# KiCad board Engine.kicad_pcb (continued)
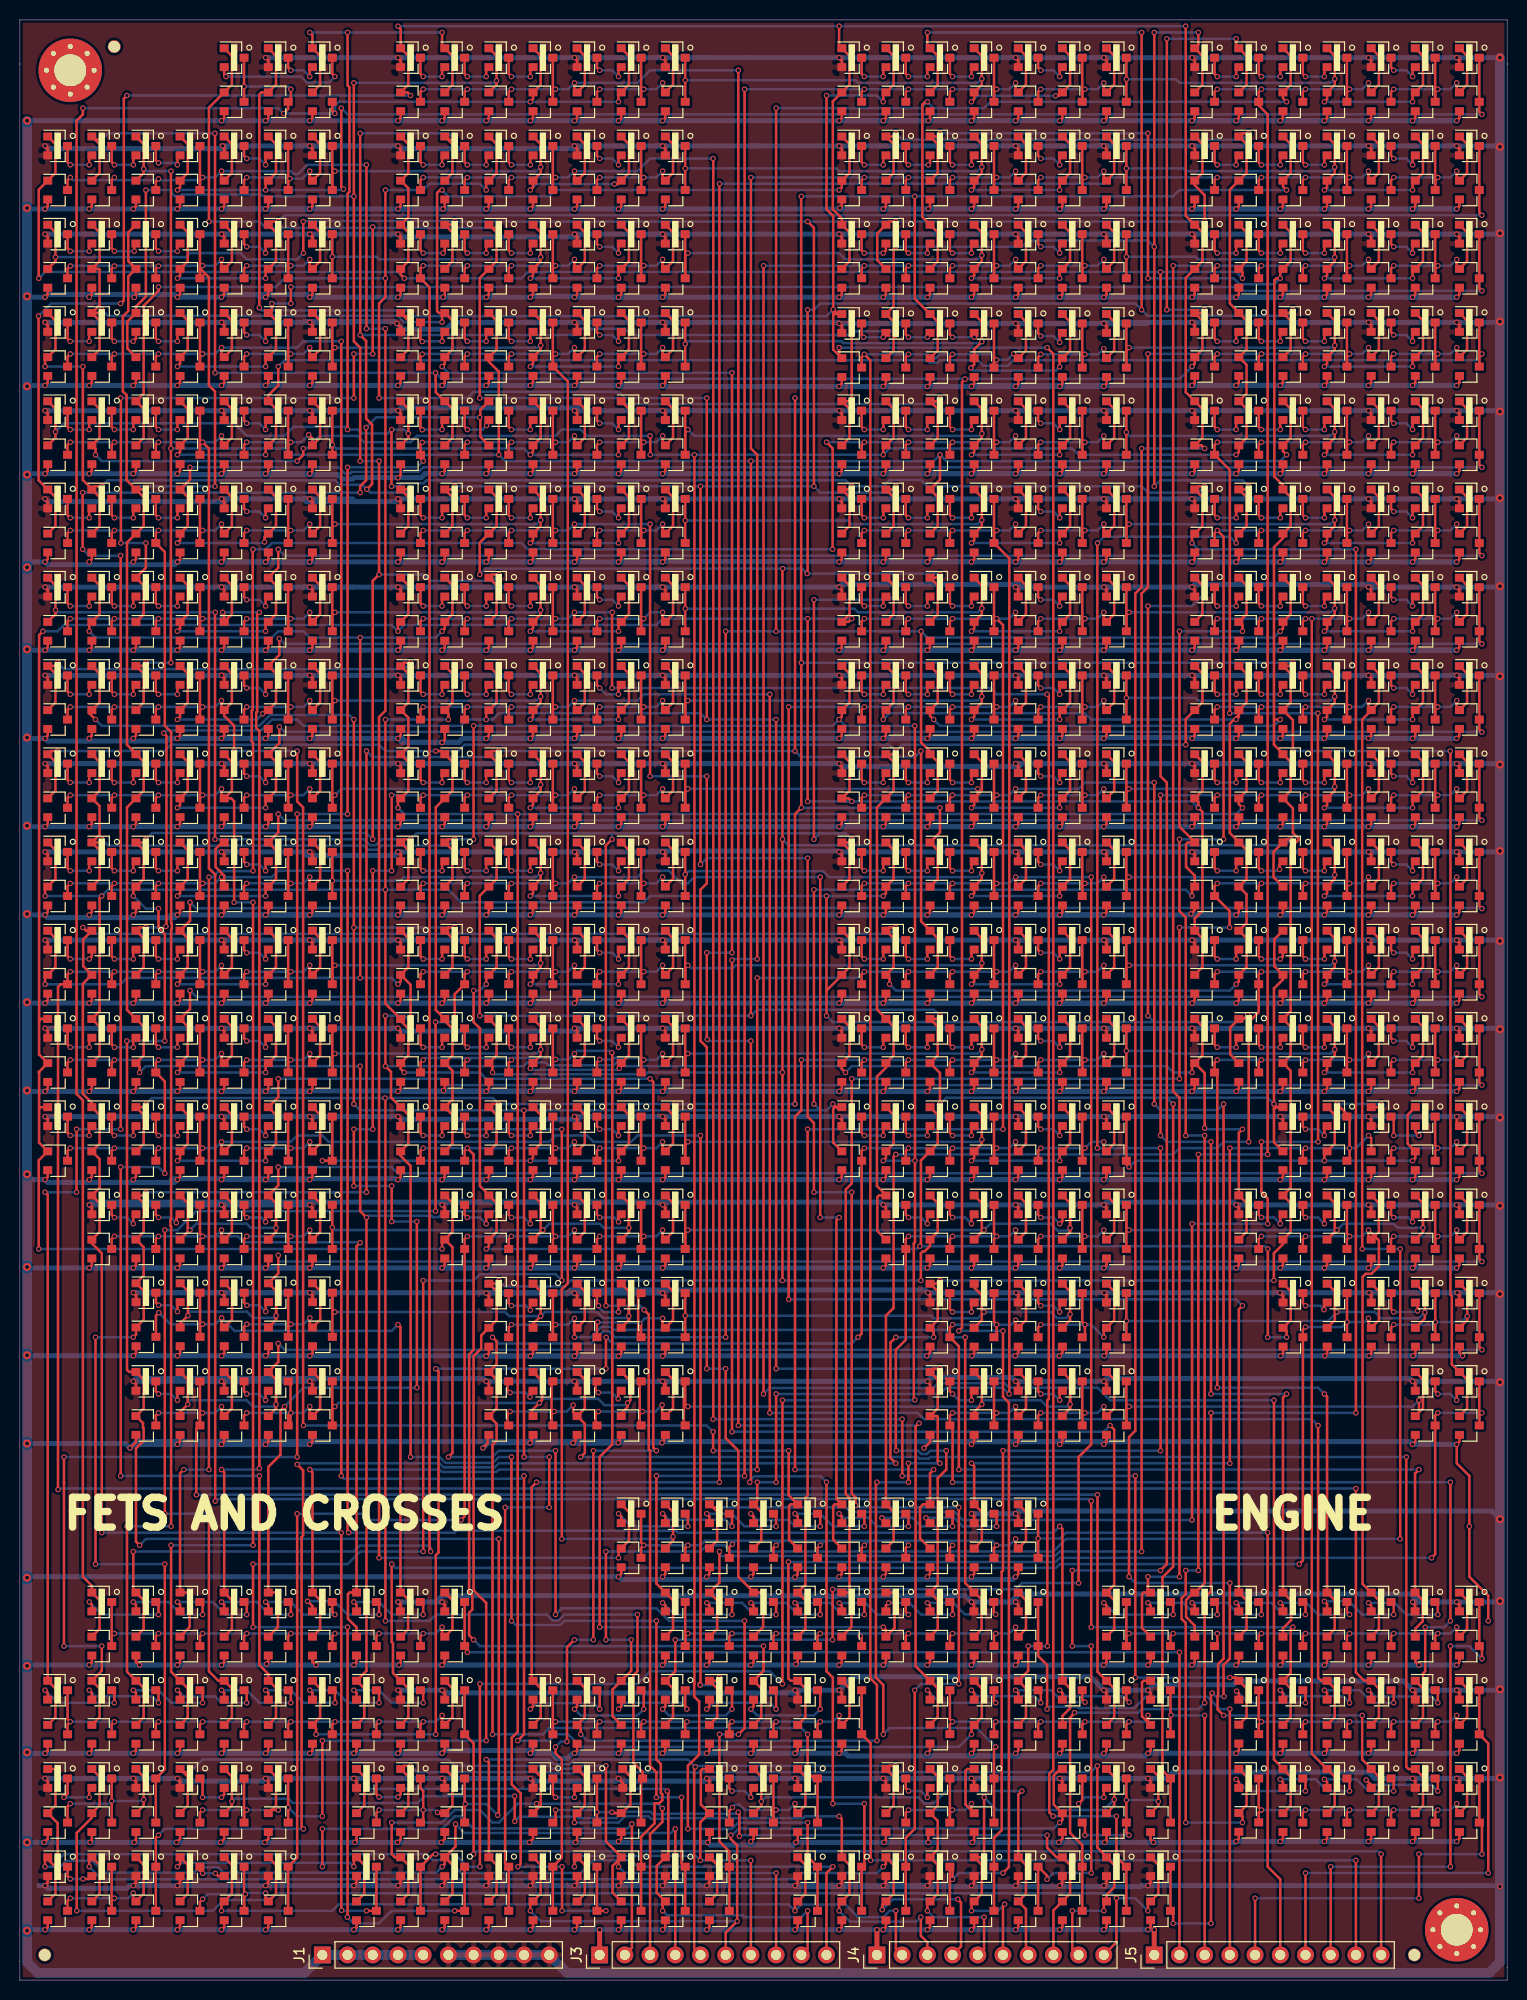
[diagram p0: board, top side]
## Nets (continued)
Net-(Q225-Pad3): Q225.3 Q229.2
Net-(Q229-Pad3): Q229.3 Q230.2
Net-(Q230-Pad3): Q230.3 Q231.2
Net-(Q240-Pad3): Q240.3 Q241.2
Net-(Q245-Pad3): Q245.3 Q246.2
Net-(Q246-Pad3): Q246.3 Q247.2
Net-(Q252-Pad3): Q252.3 Q253.2
Net-(Q257-Pad3): Q257.3 Q258.2
Net-(Q258-Pad3): Q258.3 Q259.2
Net-(Q264-Pad3): Q264.3 Q265.2
Net-(Q269-Pad3): Q269.3 Q270.2
Net-(Q270-Pad3): Q270.3 Q271.2
Net-(Q276-Pad3): Q276.3 Q277.2
Net-(Q281-Pad3): Q281.3 Q282.2
Net-(Q282-Pad3): Q282.3 Q283.2
Net-(Q288-Pad3): Q288.3 Q289.2
Net-(Q292-Pad3): Q292.3 Q293.2
Net-(Q298-Pad3): Q298.3 Q299.2
Net-(Q302-Pad3): Q302.3 Q303.2
Net-(Q308-Pad3): Q308.3 Q309.2
Net-(Q312-Pad3): Q312.3 Q313.2
Net-(Q318-Pad3): Q318.3 Q319.2
Net-(Q322-Pad3): Q322.3 Q323.2
Net-(Q328-Pad3): Q328.3 Q329.2
Net-(Q332-Pad3): Q332.3 Q333.2
Net-(Q338-Pad3): Q338.3 Q339.2
Net-(Q342-Pad3): Q342.3 Q343.2
Net-(Q348-Pad3): Q348.3 Q349.2
Net-(Q352-Pad3): Q352.3 Q353.2
Net-(Q356-Pad3): Q356.3 Q357.2
Net-(Q361-Pad3): Q361.3 Q362.2
Net-(Q362-Pad3): Q362.3 Q363.2
Net-(Q363-Pad3): Q363.3 Q364.2
Net-(Q370-Pad3): Q370.3 Q371.2
Net-(Q375-Pad3): Q375.3 Q376.2
Net-(Q376-Pad3): Q376.3 Q377.2
Net-(Q377-Pad3): Q377.3 Q378.2
Net-(Q384-Pad3): Q384.3 Q385.2
Net-(Q389-Pad3): Q389.3 Q390.2
Net-(Q390-Pad3): Q390.3 Q391.2
Net-(Q391-Pad3): Q391.3 Q392.2
Net-(Q398-Pad3): Q398.3 Q399.2
Net-(Q404-Pad3): Q404.3 Q405.2
Net-(Q408-Pad3): Q408.3 Q409.2
Net-(Q413-Pad3): Q413.3 Q414.2
Net-(Q414-Pad3): Q414.3 Q415.2
Net-(Q415-Pad3): Q415.3 Q416.2
Net-(Q422-Pad3): Q422.3 Q423.2
Net-(Q427-Pad3): Q427.3 Q428.2
Net-(Q428-Pad3): Q428.3 Q429.2
Net-(Q429-Pad3): Q429.3 Q430.2
Net-(Q436-Pad3): Q436.3 Q437.2
Net-(Q441-Pad3): Q441.3 Q442.2
Net-(Q442-Pad3): Q442.3 Q443.2
Net-(Q443-Pad3): Q443.3 Q444.2
Net-(Q450-Pad3): Q450.3 Q451.2
Net-(Q455-Pad3): Q455.3 Q456.2
Net-(Q456-Pad3): Q456.3 Q457.2
Net-(Q457-Pad3): Q457.3 Q458.2
Net-(Q464-Pad3): Q464.3 Q465.2
Net-(Q469-Pad3): Q469.3 Q470.2
Net-(Q470-Pad3): Q470.3 Q471.2
Net-(Q471-Pad3): Q471.3 Q472.2
Net-(Q478-Pad3): Q478.3 Q479.2
Net-(Q483-Pad3): Q483.3 Q484.2
Net-(Q484-Pad3): Q484.3 Q485.2
Net-(Q485-Pad3): Q485.3 Q486.2
Net-(Q492-Pad3): Q492.3 Q493.2
Net-(Q497-Pad3): Q497.3 Q498.2
Net-(Q498-Pad3): Q498.3 Q499.2
Net-(Q499-Pad3): Q499.3 Q500.2
Net-(Q506-Pad3): Q506.3 Q507.2
Net-(Q511-Pad3): Q511.3 Q512.2
Net-(Q512-Pad3): Q512.3 Q513.2
Net-(Q513-Pad3): Q513.3 Q514.2
Net-(Q520-Pad3): Q520.3 Q521.2
Net-(Q525-Pad3): Q525.3 Q526.2
Net-(Q526-Pad3): Q526.3 Q527.2
Net-(Q527-Pad3): Q527.3 Q528.2
Net-(Q534-Pad3): Q534.3 Q535.2
Net-(Q539-Pad3): Q539.3 Q540.2
Net-(Q540-Pad3): Q540.3 Q541.2
Net-(Q541-Pad3): Q541.3 Q542.2
Net-(Q548-Pad3): Q548.3 Q549.2
Net-(Q553-Pad3): Q553.3 Q554.2
Net-(Q554-Pad3): Q554.3 Q555.2
Net-(Q555-Pad3): Q555.3 Q556.2
Net-(Q562-Pad3): Q562.3 Q563.2
Net-(Q567-Pad3): Q567.3 Q568.2
Net-(Q568-Pad3): Q568.3 Q569.2
Net-(Q569-Pad3): Q569.3 Q570.2
Net-(Q576-Pad3): Q576.3 Q577.2
Net-(Q581-Pad3): Q581.3 Q582.2
Net-(Q582-Pad3): Q582.3 Q583.2
Net-(Q583-Pad3): Q583.3 Q584.2
Net-(Q590-Pad3): Q590.3 Q591.2
Net-(Q595-Pad3): Q595.3 Q596.2
Net-(Q596-Pad3): Q596.3 Q597.2
Net-(Q597-Pad3): Q597.3 Q598.2
Net-(Q604-Pad3): Q604.3 Q605.2
Net-(Q609-Pad3): Q609.3 Q610.2
Net-(Q610-Pad3): Q610.3 Q611.2
Net-(Q611-Pad3): Q611.3 Q612.2
Net-(Q618-Pad3): Q618.3 Q619.2
Net-(Q623-Pad3): Q623.3 Q624.2
Net-(Q624-Pad3): Q624.3 Q625.2
Net-(Q625-Pad3): Q625.3 Q626.2
Net-(Q632-Pad3): Q632.3 Q633.2
Net-(Q637-Pad3): Q637.3 Q638.2
Net-(Q638-Pad3): Q638.3 Q639.2
Net-(Q639-Pad3): Q639.3 Q640.2
Net-(Q646-Pad3): Q646.3 Q647.2
Net-(Q651-Pad3): Q651.3 Q652.2
Net-(Q652-Pad3): Q652.3 Q653.2
Net-(Q653-Pad3): Q653.3 Q654.2
Net-(Q660-Pad3): Q660.3 Q661.2
Net-(Q665-Pad3): Q665.3 Q666.2
Net-(Q666-Pad3): Q666.3 Q667.2
Net-(Q667-Pad3): Q667.3 Q668.2
Net-(Q674-Pad3): Q674.3 Q675.2
Net-(Q679-Pad3): Q679.3 Q680.2
Net-(Q680-Pad3): Q680.3 Q681.2
Net-(Q681-Pad3): Q681.3 Q682.2
Net-(Q688-Pad3): Q688.3 Q689.2
Net-(Q693-Pad3): Q693.3 Q694.2
Net-(Q694-Pad3): Q694.3 Q695.2
Net-(Q695-Pad3): Q695.3 Q696.2
Net-(Q702-Pad3): Q702.3 Q703.2
Net-(Q707-Pad3): Q707.3 Q708.2
Net-(Q708-Pad3): Q708.3 Q709.2
Net-(Q709-Pad3): Q709.3 Q710.2
Net-(Q716-Pad3): Q716.3 Q717.2
Net-(Q721-Pad3): Q721.3 Q722.2
Net-(Q722-Pad3): Q722.3 Q723.2
Net-(Q723-Pad3): Q723.3 Q724.2
Net-(Q730-Pad3): Q730.3 Q731.2
Net-(Q735-Pad3): Q735.3 Q736.2
Net-(Q736-Pad3): Q736.3 Q737.2
Net-(Q737-Pad3): Q737.3 Q738.2
Net-(Q744-Pad3): Q744.3 Q745.2
Net-(Q749-Pad3): Q749.3 Q750.2
Net-(Q750-Pad3): Q750.3 Q751.2
Net-(Q751-Pad3): Q751.3 Q752.2
Net-(Q758-Pad3): Q758.3 Q759.2
Net-(Q763-Pad3): Q763.3 Q764.2
Net-(Q764-Pad3): Q764.3 Q765.2
Net-(Q765-Pad3): Q765.3 Q766.2
Net-(Q772-Pad3): Q772.3 Q773.2
Net-(Q777-Pad3): Q777.3 Q778.2
Net-(Q778-Pad3): Q778.3 Q779.2
Net-(Q779-Pad3): Q779.3 Q780.2
Net-(Q786-Pad3): Q786.3 Q787.2
Net-(Q791-Pad3): Q791.3 Q792.2
Net-(Q792-Pad3): Q792.3 Q793.2
Net-(Q793-Pad3): Q793.3 Q794.2
Net-(Q800-Pad3): Q800.3 Q801.2
Net-(Q805-Pad3): Q805.3 Q806.2
Net-(Q806-Pad3): Q806.3 Q807.2
Net-(Q807-Pad3): Q807.3 Q808.2
Net-(Q814-Pad3): Q814.3 Q815.2
Net-(Q819-Pad3): Q819.3 Q820.2
Net-(Q820-Pad3): Q820.3 Q821.2
Net-(Q821-Pad3): Q821.3 Q822.2
Net-(Q828-Pad3): Q828.3 Q829.2
Net-(Q833-Pad3): Q833.3 Q834.2
Net-(Q834-Pad3): Q834.3 Q835.2
Net-(Q835-Pad3): Q835.3 Q836.2
Net-(Q842-Pad3): Q842.3 Q843.2
Net-(Q847-Pad3): Q847.3 Q848.2
Net-(Q848-Pad3): Q848.3 Q849.2
Net-(Q849-Pad3): Q849.3 Q850.2
Net-(Q856-Pad3): Q856.3 Q857.2
Net-(Q861-Pad3): Q861.3 Q862.2
Net-(Q862-Pad3): Q862.3 Q863.2
Net-(Q863-Pad3): Q863.3 Q864.2
Net-(Q870-Pad3): Q870.3 Q871.2
Net-(Q875-Pad3): Q875.3 Q876.2
Net-(Q876-Pad3): Q876.3 Q877.2
Net-(Q877-Pad3): Q877.3 Q878.2
Net-(Q884-Pad3): Q884.3 Q885.2
Net-(Q889-Pad3): Q889.3 Q890.2
Net-(Q890-Pad3): Q890.3 Q891.2
Net-(Q891-Pad3): Q891.3 Q892.2
Net-(Q898-Pad3): Q898.3 Q899.2
Net-(Q903-Pad3): Q903.3 Q904.2
Net-(Q904-Pad3): Q904.3 Q905.2
Net-(Q905-Pad3): Q905.3 Q906.2
Net-(Q912-Pad3): Q912.3 Q913.2
Net-(Q917-Pad3): Q917.3 Q918.2
Net-(Q918-Pad3): Q918.3 Q919.2
Net-(Q919-Pad3): Q919.3 Q920.2
Net-(Q926-Pad3): Q926.3 Q927.2
Net-(Q931-Pad3): Q931.3 Q932.2
Net-(Q932-Pad3): Q932.3 Q933.2
Net-(Q933-Pad3): Q933.3 Q934.2
Net-(Q940-Pad3): Q940.3 Q941.2
Net-(Q945-Pad3): Q945.3 Q946.2
Net-(Q946-Pad3): Q946.3 Q947.2
Net-(Q947-Pad3): Q947.3 Q948.2
Net-(Q954-Pad3): Q954.3 Q955.2
Net-(Q959-Pad3): Q959.3 Q960.2
Net-(Q960-Pad3): Q960.3 Q961.2
Net-(Q961-Pad3): Q961.3 Q962.2
Net-(Q968-Pad3): Q968.3 Q969.2
Net-(Q973-Pad3): Q973.3 Q974.2
Net-(Q974-Pad3): Q974.3 Q975.2
Net-(Q979-Pad3): Q979.3 Q980.2
Net-(Q980-Pad3): Q980.3 Q981.2
Net-(Q981-Pad3): Q981.3 Q982.2
Net-(Q988-Pad3): Q988.3 Q989.2
Net-(Q993-Pad3): Q993.3 Q994.2
Net-(Q994-Pad3): Q994.3 Q995.2
Net-(Q995-Pad3): Q995.3 Q996.2
Net-(Q1002-Pad3): Q1002.3 Q1003.2
Net-(Q1007-Pad3): Q1007.3 Q1008.2
Net-(Q1008-Pad3): Q1008.3 Q1009.2
Net-(Q1009-Pad3): Q1009.3 Q1010.2
Net-(Q1016-Pad3): Q1016.3 Q1017.2
Net-(Q1021-Pad3): Q1021.3 Q1022.2
Net-(Q1022-Pad3): Q1022.3 Q1023.2
Net-(Q1023-Pad3): Q1023.3 Q1024.2
Net-(Q1030-Pad3): Q1030.3 Q1031.2
Net-(Q1035-Pad3): Q1035.3 Q1036.2
Net-(Q1036-Pad3): Q1036.3 Q1037.2
Net-(Q1037-Pad3): Q1037.3 Q1038.2
Net-(Q1044-Pad3): Q1044.3 Q1045.2
Net-(Q1049-Pad3): Q1049.3 Q1050.2
Net-(Q1050-Pad3): Q1050.3 Q1051.2
Net-(Q1051-Pad3): Q1051.3 Q1052.2
Net-(Q1058-Pad3): Q1058.3 Q1059.2
Net-(Q1063-Pad3): Q1063.3 Q1064.2
Net-(Q1064-Pad3): Q1064.3 Q1065.2
Net-(Q1065-Pad3): Q1065.3 Q1066.2
Net-(Q1072-Pad3): Q1072.3 Q1073.2

Pads without a net: H1 1; H2 1

## Via types
v1: diameter 0.55, hole 0.35, Top to Bottom, 2935 vias
v2: diameter 0.8, hole 0.4, Top to Bottom, 41 vias

## Routing (per net, layer and track width the routed paths; a pad name or vN(x,y) marks a point on that pad's centre or on a via; arc(x,y) is an arc through that point)
+5V: length 3785.4
  Top w0.25: v1(78.11,9.53) 78.38,9.79 Q35.2 ; v1(82.55,9.53) 82.82,9.79 Q33.2 ; v1(87,9.53) 87.27,9.79 Q31.2 ; v1(91.44,9.53) 91.71,9.79 Q29.2 ; v1(95.89,9.53) 96.16,9.79 Q27.2 ; v1(100.33,9.53) 100.6,9.79 Q25.2 ; v1(104.78,9.53) 105.05,9.79 Q23.2 ; v1(109.22,9.53) 109.49,9.79 Q21.2 ; v1(113.67,9.53) 113.94,9.79 Q19.2 ; v1(122.55,78.1) 122.83,77.83 Q245.2 ; v1(135.89,78.1) 136.16,77.83 Q240.2 ; v1(144.78,78.1) 145.05,77.83 Q237.2 ; v1(6.99,78.1) 7.26,77.83 Q257.2 ; v1(20.32,78.1) 20.59,77.83 Q252.2 ; v1(29.21,78.1) 29.48,77.83 Q249.2 ; v1(87,78.1) 87.27,77.83 Q281.2 ; v1(109.22,78.1) 109.49,77.83 Q273.2 ; Q288.2 20.6,68.98 v1(20.33,69.25) ; v1(29.22,69.25) 29.49,68.98 Q285.2 ; v1(11.44,69.25) 11.71,68.98 Q292.2 ; Q298.2 56.15,68.94 v1(55.88,69.21) ; v1(64.77,69.21) 65.04,68.94 Q295.2 ; v1(46.99,69.21) 47.26,68.94 Q302.2 ; Q328.2 20.59,60.05 v1(20.32,60.32) ; v1(29.21,60.32) 29.48,60.05 Q325.2 ; v1(11.43,60.32) 11.7,60.05 Q332.2 ; Q338.2 100.6,60.05 v1(100.33,60.32) ; v1(109.22,60.32) 109.49,60.05 Q335.2 ; v1(91.44,60.32) 91.71,60.05 Q342.2 ; 56.02,59.51 56.02,60.19 ; 64.91,59.51 64.91,60.19 ; 136.16,192.72 136.16,193.41 v1(135.89,193.67) ; v1(144.78,193.67) 145.05,193.41 145.05,192.72 ; 118.38,192.72 118.38,193.41 v1(118.11,193.67) ; v1(140.33,20.32) 140.6,20.05 Q142.2 ; v1(144.78,20.32) 145.05,20.05 Q151.2 ; v1(140.33,29.21) 140.6,28.94 Q92.2 ; Q101.2 145.05,28.94 v1(144.78,29.21) ; v1(109.22,29.21) 109.49,28.94 Q188.2 ; Q197.2 113.94,28.94 v1(113.67,29.21) ; v1(38.1,38.1) 38.35,37.85 Q219.2 ; v1(42.54,38.1) 42.81,37.83 Q235.2 ; v1(140.33,38.1) 140.58,37.85 Q103.2 ; v1(144.78,38.1) 145.05,37.83 Q119.2 ; v1(38.1,29.21) 38.37,28.94 Q201.2 ; v1(42.54,29.21) 42.81,28.94 Q199.2 ; 56.15,192.72 56.15,193.41 v1(55.88,193.67) ; 65.04,192.72 65.04,193.41 v1(64.77,193.67) ; 38.37,192.72 38.37,193.41 v1(38.1,193.67) ; 100.6,192.72 100.6,193.41 v1(100.33,193.67) ; 109.49,192.72 109.49,193.41 v1(109.22,193.67) ; 82.82,192.72 82.82,193.41 v1(82.55,193.67) ; Q1013.2 29.48,184.51 v1(29.21,184.78) ; Q1007.2 2.81,184.51 v1(2.54,184.78) ; Q1030.2 56.15,184.51 v1(55.88,184.78) ; Q1027.2 65.04,184.51 v1(64.77,184.78) ; Q1021.2 38.37,184.51 v1(38.1,184.78) ; Q1044.2 100.6,184.51 v1(100.33,184.78) ; Q1041.2 109.49,184.51 v1(109.22,184.78) ; Q1035.2 82.82,184.51 v1(82.55,184.78) ; Q1058.2 136.16,184.51 v1(135.89,184.78) ; Q1055.2 145.05,184.51 v1(144.78,184.78) ; Q1049.2 118.38,184.51 v1(118.11,184.78) ; Q1072.2 20.59,175.62 v1(20.32,175.89) ; Q1069.2 29.48,175.62 v1(29.21,175.89) ; Q1063.2 2.81,175.62 v1(2.54,175.89) ; Q506.2 100.6,122.28 v1(100.33,122.55) ; Q503.2 109.49,122.28 v1(109.22,122.55) ; Q497.2 82.82,122.28 v1(82.55,122.55) ; Q520.2 136.16,122.28 v1(135.89,122.55) ; Q517.2 145.05,122.28 v1(144.78,122.55) ; Q511.2 118.38,122.28 v1(118.11,122.55) ; Q534.2 56.15,113.39 v1(55.88,113.66) ; Q531.2 65.04,113.39 v1(64.77,113.66) ; Q525.2 38.37,113.39 v1(38.1,113.66) ; Q548.2 100.6,113.39 v1(100.33,113.66) ; Q545.2 109.49,113.39 v1(109.22,113.66) ; Q539.2 82.82,113.39 v1(82.55,113.66) ; Q562.2 20.59,104.5 v1(20.32,104.77) ; Q559.2 29.48,104.5 v1(29.21,104.77) ; Q553.2 2.81,104.5 v1(2.54,104.77) ; Q576.2 56.15,104.5 v1(55.88,104.77) ; Q573.2 65.04,104.5 v1(64.77,104.77) ; Q567.2 38.37,104.5 v1(38.1,104.77) ; Q590.2 20.59,113.39 v1(20.32,113.66) ; Q587.2 29.48,113.39 v1(29.21,113.66) ; Q581.2 2.81,113.39 v1(2.54,113.66) ; Q604.2 136.16,113.39 v1(135.89,113.66) ; Q601.2 145.05,113.39 v1(144.78,113.66) ; Q618.2 56.15,122.28 v1(55.88,122.55) ; Q615.2 65.04,122.28 v1(64.77,122.55) ; Q609.2 38.37,122.28 v1(38.1,122.55) ; Q926.2 136.16,166.73 v1(135.89,167) ; Q923.2 145.05,166.73 v1(144.78,167) ; Q917.2 118.38,166.73 v1(118.11,167) ; Q940.2 20.59,157.84 v1(20.32,158.12) ; Q937.2 29.48,157.84 v1(29.21,158.12) ; Q931.2 2.81,157.84 v1(2.54,158.12) ; Q954.2 56.15,157.84 v1(55.88,158.12) ; Q951.2 65.04,157.84 v1(64.77,158.12) ; Q945.2 38.37,157.84 v1(38.1,158.12) ; Q842.2 56.15,175.62 v1(55.88,175.89) ; Q839.2 65.04,175.62 v1(64.77,175.89) ; Q833.2 38.37,175.62 v1(38.1,175.89) ; Q856.2 100.6,175.62 v1(100.33,175.89) ; Q853.2 109.49,175.62 v1(109.22,175.89) ; Q847.2 82.82,175.62 v1(82.55,175.89) ; Q870.2 136.16,175.62 v1(135.89,175.89) ; Q867.2 145.05,175.62 v1(144.78,175.89) ; Q861.2 118.38,175.62 v1(118.11,175.89) ; Q884.2 20.59,166.73 v1(20.32,167) ; Q881.2 29.48,166.73 v1(29.21,167) ; Q875.2 2.81,166.73 v1(2.54,167) ; Q898.2 56.15,166.73 v1(55.88,167) ; Q895.2 65.04,166.73 v1(64.77,167) ; Q912.2 100.6,166.63 v1(100.33,166.9) ; Q909.2 109.49,166.63 v1(109.22,166.9) ; Q903.2 82.82,166.63 v1(82.55,166.9) ; Q758.2 100.6,157.84 v1(100.33,158.12) ; Q755.2 109.49,157.84 v1(109.22,158.12) ; Q749.2 82.82,157.84 v1(82.55,158.12) ; Q772.2 136.16,157.84 v1(135.89,158.12) ; Q769.2 145.05,157.84 v1(144.78,158.12) ; Q763.2 118.38,157.84 v1(118.11,158.12) ; Q786.2 20.59,148.95 v1(20.32,149.22) ; Q783.2 29.48,148.95 v1(29.21,149.22) ; Q777.2 2.81,148.95 v1(2.54,149.22) ; Q800.2 56.15,148.95 v1(55.88,149.22) ; Q797.2 65.04,148.95 v1(64.77,149.22) ; Q791.2 38.37,148.95 v1(38.1,149.22) ; Q814.2 100.6,148.95 v1(100.33,149.22) ; Q811.2 109.49,148.95 v1(109.22,149.22) ; Q805.2 82.82,148.95 v1(82.55,149.22) ; Q828.2 136.16,148.95 v1(135.89,149.22) ; Q825.2 145.05,148.95 v1(144.78,149.22) ; Q819.2 118.38,148.95 v1(118.11,149.22) ; Q422.2 100.6,104.5 v1(100.33,104.77) ; Q419.2 109.49,104.5 v1(109.22,104.77) ; Q413.2 82.82,104.5 v1(82.55,104.77) ; Q436.2 136.16,104.5 v1(135.89,104.77) ; Q433.2 145.05,104.5 v1(144.78,104.77) ; Q427.2 118.38,104.5 v1(118.11,104.77) ; Q450.2 20.59,95.61 v1(20.32,95.88) ; Q447.2 29.48,95.61 v1(29.21,95.88) ; Q441.2 2.81,95.61 v1(2.54,95.88) ; Q464.2 56.15,95.61 v1(55.88,95.88) ; Q461.2 65.04,95.61 v1(64.77,95.88) ; Q455.2 38.37,95.61 v1(38.1,95.88) ; Q478.2 100.6,95.61 v1(100.33,95.88) ; Q475.2 109.49,95.61 v1(109.22,95.88) ; Q469.2 82.82,95.61 v1(82.55,95.88) ; Q492.2 136.16,95.61 v1(135.89,95.88) ; Q489.2 145.05,95.61 v1(144.78,95.88) ; Q483.2 118.38,95.61 v1(118.11,95.88) ; Q632.2 20.59,140.06 v1(20.32,140.33) ; Q629.2 29.48,140.06 v1(29.21,140.33) ; Q623.2 2.81,140.06 v1(2.54,140.33) ; Q646.2 56.15,140.06 v1(55.88,140.33) ; Q643.2 65.04,140.06 v1(64.77,140.33) ; Q637.2 38.37,140.06 v1(38.1,140.33) ; Q660.2 100.6,140.06 v1(100.33,140.33) ; Q657.2 109.49,140.06 v1(109.22,140.33) ; Q651.2 82.82,140.06 v1(82.55,140.33) ; Q674.2 136.16,140.06 v1(135.89,140.33) ; Q671.2 145.05,140.06 v1(144.78,140.33) ; Q665.2 118.38,140.06 v1(118.11,140.33) ; Q688.2 20.59,131.17 v1(20.32,131.44) ; Q685.2 29.48,131.17 v1(29.21,131.44) ; Q679.2 2.81,131.17 v1(2.54,131.44) ; Q702.2 56.15,131.17 v1(55.88,131.44) ; Q699.2 65.04,131.17 v1(64.77,131.44) ; Q693.2 38.37,131.17 v1(38.1,131.44) ; Q716.2 100.6,131.17 v1(100.33,131.44) ; Q713.2 109.49,131.17 v1(109.22,131.44) ; Q707.2 82.82,131.17 v1(82.55,131.44) ; Q730.2 136.16,131.17 v1(135.89,131.44) ; Q727.2 145.05,131.17 v1(144.78,131.44) ; Q721.2 118.38,131.17 v1(118.11,131.44) ; Q744.2 20.59,122.28 v1(20.32,122.55) ; Q741.2 29.48,122.28 v1(29.21,122.55) ; Q735.2 2.81,122.28 v1(2.54,122.55) ; Q370.2 20.59,86.72 v1(20.32,86.99) ; Q367.2 29.48,86.72 v1(29.21,86.99) ; Q361.2 2.81,86.72 v1(2.54,86.99) ; Q384.2 56.15,86.72 v1(55.88,86.99) ; Q381.2 65.04,86.72 v1(64.77,86.99) ; Q375.2 38.37,86.72 v1(38.1,86.99) ; Q398.2 100.6,86.72 v1(100.33,86.99) ; Q395.2 109.49,86.72 v1(109.22,86.99) ; Q389.2 82.82,86.72 v1(82.55,86.99) ; v1(37.99,166.9) 38.37,166.52 Q889.2 ; Q305.2 109.49,69.02 v1(109.26,69.25) ; v1(100.33,78.1) 100.6,77.83 Q276.2 ; Q322.2 127.28,68.93 v1(126.96,69.25) ; Q408.2 127.27,86.72 v1(127,86.99) ; Q15.2 38.37,9.79 v1(38.1,9.53) ; Q37.2 11.7,20.05 v1(11.43,20.32) ; v1(55.88,78.1) 56.15,77.83 Q264.2 ; v1(91.48,69.25) 91.71,69.02 Q312.2 ; Q308.2 100.6,69.02 v1(100.37,69.25) ; Q345.2 65.04,60.05 v1(64.77,60.32) ; Q43.2 42.81,20.05 v1(42.54,20.32) ; Q55.2 78.38,20.05 v1(78.11,20.32) ; Q3.2 65.04,9.79 v1(64.77,9.53) ; v1(144.78,86.99) 144.78,86.36 145.1,86.04 Q401.2 ; Q352.2 47.26,60.05 v1(46.99,60.32) ; 25.03,192.72 25.03,193.41 v1(24.77,193.67) ; Q64.2 105.05,20.05 v1(104.78,20.32) ; v1(42.54,78.1) 42.81,77.83 Q269.2 ; Q348.2 56.15,60.05 v1(55.88,60.32) ; v1(135.89,86.99) 136.16,86.72 Q404.2 ; v1(2.54,9.53) 2.81,9.79 Q76.2 ; Q46.2 33.92,20.05 v1(33.66,20.32) ; v1(15.87,20.32) 16.15,20.05 Q52.2 ; Q5.2 60.59,9.79 v1(60.32,9.53) ; Q13.2 42.81,9.79 v1(42.54,9.53) ; v1(64.77,78.1) 65.04,77.83 Q261.2 ; Q88.2 16.15,9.79 v1(15.87,9.53) ; Q85.2 25.03,9.79 v1(24.77,9.53) ; v1(95.89,20.32) 96.16,20.05 Q67.2 ; v1(95.89,38.1) 96.13,37.85 Q153.2 ; Q123.2 96.16,46.72 v1(95.89,46.99) ; v1(140.33,60.32) 140.6,60.05 Q356.2 ; v1(51.43,9.53) 51.7,9.79 Q9.2 ; Q61.2 113.94,20.05 v1(113.67,20.32) ; v1(82.55,29.21) 82.82,28.94 Q185.2 ; v1(69.22,20.32) 69.48,20.05 Q58.2 ; Q1.2 69.48,9.79 v1(69.22,9.53) ; Q595.2 118.38,113.39 v1(118.11,113.66) ; v1(2.54,20.32) 2.81,20.05 Q40.2 ; Q7.2 56.15,9.79 v1(55.88,9.53) ; Q70.2 87.27,20.05 v1(87,20.32) ; Q121.2 100.6,46.72 v1(100.33,46.99) ; v1(33.66,9.53) 33.92,9.79 Q17.2 ; v1(78.11,29.21) 78.38,28.94 Q171.2 ; v1(11.43,9.53) 11.7,9.79 Q73.2 ; v1(24.77,20.32) 25.03,20.05 Q49.2 ; Q169.2 100.6,37.83 v1(100.33,38.1) ; Q315.2 145.06,69.01 v1(144.82,69.25) ; v1(20.44,184.78) 20.59,184.63 Q1016.2 ; v1(60.32,20.32) 60.75,19.89 Q79.2 ; v1(46.99,9.53) 47.26,9.79 Q11.2 ; v1(51.43,20.32) 51.7,20.05 Q82.2 ; v1(135.93,69.25) 136.17,69.01 Q318.2
  Bottom w0.25: 55.56,69.53 55.57,69.53 v1(55.88,69.21) 56.19,69.53 56.2,69.53 ; v1(55.88,78.1) 55.61,78.38 55.52,78.38
  Bottom w0.5: v1(29.21,78.1) v1(6.99,78.1) 7.26,78.38 86.72,78.38 v1(87,78.1) v1(109.22,78.1) 109.49,78.38 122.28,78.38 v1(122.55,78.1) v1(144.78,78.1) 149.04,78.1 v2(149.13,78.01) ; v1(29.22,69.25) v1(20.33,69.25) v1(11.44,69.25) 55.28,69.25 55.56,69.53 91.2,69.53 v1(91.48,69.25) v1(100.37,69.25) v1(109.26,69.25) v1(126.96,69.25) v1(135.93,69.25) v1(144.82,69.25) 149,69.25 v2(149.13,69.12) ; v1(64.77,69.21) v1(55.88,69.21) v1(46.99,69.21) ; v1(29.21,60.32) v1(20.32,60.32) v1(11.43,60.32) 11.7,60.6 46.72,60.6 v1(46.99,60.32) v1(55.88,60.32) v1(64.77,60.32) ; 136.52,193.67 v1(118.11,193.67) 108.59,193.67 ; 136.52,193.67 v1(135.89,193.67) ; 136.52,193.67 144.14,193.67 ; v1(38.1,29.21) v1(42.54,29.21) 42.82,28.94 78.47,28.94 ; v1(55.88,193.67) 56.51,193.67 ; 56.51,193.67 v1(38.1,193.67) v1(24.77,193.67) ; 56.51,193.67 64.14,193.67 ; 64.14,193.67 v1(64.77,193.67) ; 64.14,193.67 68.58,193.67 ; v1(100.33,193.67) 100.97,193.67 ; 100.97,193.67 v1(82.55,193.67) 68.58,193.67 ; 100.97,193.67 108.59,193.67 ; 108.59,193.67 v1(109.22,193.67) ; 28.57,184.78 33.56,184.78 ; 28.57,184.78 20.95,184.78 ; 28.57,184.78 v1(29.21,184.78) v1(38.1,184.78) 38.37,184.51 56.24,184.51 56.51,184.78 ; 20.95,184.78 20.68,184.51 2.81,184.51 v1(2.54,184.78) ; 20.95,184.78 v1(20.44,184.78) ; v1(55.88,184.78) 56.51,184.78 ; 56.51,184.78 64.14,184.78 ; 64.14,184.78 74.3,184.78 ; 64.14,184.78 v1(64.77,184.78) ; v1(100.33,184.78) 100.97,184.78 ; 100.97,184.78 v1(82.55,184.78) 74.3,184.78 ; 100.97,184.78 108.59,184.78 ; 108.59,184.78 113.57,184.78 ; 108.59,184.78 v1(109.22,184.78) v1(118.11,184.78) 136.52,184.78 ; v1(135.89,184.78) 136.52,184.78 ; 136.52,184.78 144.14,184.78 ; 144.14,184.78 149.13,184.78 ; 144.14,184.78 v1(144.78,184.78) ; v1(20.32,175.89) 20.95,175.89 ; 20.95,175.89 v1(2.54,175.89) ; 20.95,175.89 v1(29.21,175.89) v1(38.1,175.89) 38.37,175.62 56.24,175.62 56.51,175.89 ; v1(100.33,122.55) 100.97,122.55 ; 100.97,122.55 108.59,122.55 ; 100.97,122.55 100.69,122.28 82.82,122.28 v1(82.55,122.55) 74.3,122.55 ; 108.59,122.55 113.57,122.55 ; 108.59,122.55 v1(109.22,122.55) v1(118.11,122.55) 136.52,122.55 ; v1(135.89,122.55) 136.52,122.55 ; 136.52,122.55 144.14,122.55 ; 144.14,122.55 149.13,122.55 ; 144.14,122.55 v1(144.78,122.55) ; v1(55.88,113.66) 56.51,113.66 ; 56.51,113.66 v1(38.1,113.66) 37.74,113.31 28.93,113.31 28.57,113.66 ; 56.51,113.66 v1(64.77,113.66) ; v1(100.33,113.66) 100.97,113.66 ; 100.97,113.66 v1(82.55,113.66) 82.46,113.76 63.59,113.76 63.5,113.66 ; 100.97,113.66 108.59,113.66 ; 108.59,113.66 113.57,113.66 ; 108.59,113.66 v1(109.22,113.66) v1(118.11,113.66) 136.52,113.66 ; v1(20.32,104.77) 20.95,104.77 ; 20.95,104.77 v1(2.54,104.77) ; 20.95,104.77 28.57,104.77 ; 28.57,104.77 33.56,104.77 ; 28.57,104.77 v1(29.21,104.77) ; 28.57,104.77 36.83,104.77 ; v1(55.88,104.77) 56.51,104.77 ; 56.51,104.77 v1(38.1,104.77) 36.83,104.77 ; 56.51,104.77 v1(64.77,104.77) ; v1(20.32,113.66) 20.95,113.66 ; 20.95,113.66 v1(2.54,113.66) ; 20.95,113.66 28.57,113.66 ; 28.57,113.66 v1(29.21,113.66) ; v1(135.89,113.66) 136.52,113.66 ; 136.52,113.66 144.14,113.66 ; 144.14,113.66 149.13,113.66 ; 144.14,113.66 v1(144.78,113.66) ; v1(55.88,122.55) 56.51,122.55 ; 56.51,122.55 v1(38.1,122.55) 36.83,122.55 ; 56.51,122.55 v1(64.77,122.55) ; 63.5,122.55 74.3,122.55 ; v1(135.89,167) 136.52,167 ; 136.52,167 v1(118.11,167) 109.22,167 ; 136.52,167 144.14,167 ; 144.14,167 149.13,167 ; 144.14,167 v1(144.78,167) ; v1(20.32,158.12) 20.95,158.12 ; 20.95,158.12 v1(2.54,158.12) ; 20.95,158.12 28.57,158.12 ; 28.57,158.12 33.56,158.12 ; 28.57,158.12 v1(29.21,158.12) ; 28.57,158.12 v1(38.1,158.12) 38.37,158.39 56.24,158.39 56.51,158.12 ; v1(55.88,158.12) 56.51,158.12 ; 56.51,158.12 v1(64.77,158.12) ; v1(55.88,175.89) 56.51,175.89 ; 56.51,175.89 v1(64.77,175.89) ; v1(100.33,175.89) 100.97,175.89 ; 100.97,175.89 v1(82.55,175.89) 63.5,175.89 ; 100.97,175.89 108.59,175.89 ; 108.59,175.89 113.57,175.89 ; 108.59,175.89 v1(109.22,175.89) v1(118.11,175.89) 136.52,175.89 ; v1(135.89,175.89) 136.52,175.89 ; 136.52,175.89 144.14,175.89 ; 144.14,175.89 149.13,175.89 ; 144.14,175.89 v1(144.78,175.89) ; v1(20.32,167) 20.95,167 ; 20.95,167 v1(2.54,167) ; 20.95,167 28.57,167 ; 28.57,167 33.56,167 ; 28.57,167 v1(29.21,167) ; 28.57,167 28.67,167.1 37.8,167.1 v1(37.99,166.9) 38.58,166.31 42.94,166.31 43.64,167 56.51,167 ; v1(55.88,167) 56.51,167 ; 56.51,167 v1(64.77,167) 82.45,167 v1(82.55,166.9) 100.97,166.9 ; v1(100.33,166.9) 100.97,166.9 ; 100.97,166.9 108.59,166.9 ; 108.59,166.9 113.57,166.9 ; 108.59,166.9 v1(109.22,166.9) ; v1(100.33,158.12) 100.97,158.12 ; 100.97,158.12 v1(82.55,158.12) 63.5,158.12 ; 100.97,158.12 108.59,158.12 ; 108.59,158.12 113.57,158.12 ; 108.59,158.12 v1(109.22,158.12) v1(118.11,158.12) 136.52,158.12 ; v1(135.89,158.12) 136.52,158.12 ; 136.52,158.12 144.14,158.12 ; 144.14,158.12 149.13,158.12 ; 144.14,158.12 v1(144.78,158.12) ; v1(20.32,149.22) 20.95,149.22 ; 20.95,149.22 28.57,149.22 ; 20.95,149.22 20.68,148.95 2.81,148.95 v1(2.54,149.22) ; 28.57,149.22 33.56,149.22 ; 28.57,149.22 v1(29.21,149.22) ; 28.57,149.22 28.85,148.95 37.83,148.95 v1(38.1,149.22) 56.51,149.22 ; v1(55.88,149.22) 56.51,149.22 ; 56.51,149.22 v1(64.77,149.22) ; 63.5,149.22 74.3,149.22 ; v1(100.33,149.22) 100.97,149.22 ; 100.97,149.22 v1(82.55,149.22) 74.3,149.22 ; 100.97,149.22 108.59,149.22 ; 108.59,149.22 113.57,149.22 ; 108.59,149.22 v1(109.22,149.22) v1(118.11,149.22) 136.52,149.22 ; v1(135.89,149.22) 136.52,149.22 ; 136.52,149.22 144.14,149.22 ; 144.14,149.22 149.13,149.22 ; 144.14,149.22 v1(144.78,149.22) ; v1(100.33,104.77) 100.97,104.77 ; 100.97,104.77 v1(82.55,104.77) 63.5,104.77 ; 100.97,104.77 108.59,104.77 ; 108.59,104.77 113.57,104.77 ; 108.59,104.77 v1(109.22,104.77) v1(118.11,104.77) 136.52,104.77 ; v1(135.89,104.77) 136.52,104.77 ; 136.52,104.77 144.14,104.77 ; 144.14,104.77 149.13,104.77 ; 144.14,104.77 v1(144.78,104.77) ; v1(20.32,95.88) 20.95,95.88 ; 20.95,95.88 v1(2.54,95.88) ; 20.95,95.88 28.57,95.88 ; 28.57,95.88 33.56,95.88 ; 28.57,95.88 v1(29.21,95.88) ; 28.57,95.88 v1(38.1,95.88) 38.37,95.61 56.24,95.61 56.51,95.88 ; v1(55.88,95.88) 56.51,95.88 ; 56.51,95.88 v1(64.77,95.88) ; v1(100.33,95.88) 100.97,95.88 ; 100.97,95.88 v1(82.55,95.88) 63.5,95.88 ; 100.97,95.88 108.59,95.88 ; 108.59,95.88 113.57,95.88 ; 108.59,95.88 v1(109.22,95.88) v1(118.11,95.88) 136.52,95.88 ; v1(135.89,95.88) 136.52,95.88 ; 136.52,95.88 144.14,95.88 ; 144.14,95.88 149.13,95.88 ; 144.14,95.88 v1(144.78,95.88) ; v1(20.32,140.33) 20.95,140.33 ; 20.95,140.33 v1(2.54,140.33) ; 20.95,140.33 28.57,140.33 ; 28.57,140.33 33.56,140.33 ; 28.57,140.33 v1(29.21,140.33) ; 28.57,140.33 v1(38.1,140.33) 56.51,140.33 ; v1(55.88,140.33) 56.51,140.33 ; 56.51,140.33 v1(64.77,140.33) ; 63.5,140.33 74.3,140.33 ; v1(100.33,140.33) 100.97,140.33 ; 100.97,140.33 108.59,140.33 ; 100.97,140.33 100.69,140.61 82.82,140.61 v1(82.55,140.33) 74.3,140.33 ; 108.59,140.33 113.57,140.33 ; 108.59,140.33 v1(109.22,140.33) v1(118.11,140.33) 118.38,140.61 136.25,140.61 136.52,140.33 ; v1(135.89,140.33) 136.52,140.33 ; 136.52,140.33 144.14,140.33 ; 144.14,140.33 149.13,140.33 ; 144.14,140.33 v1(144.78,140.33) ; v1(20.32,131.44) 20.95,131.44 ; 20.95,131.44 v1(2.54,131.44) ; 20.95,131.44 28.57,131.44 ; 28.57,131.44 33.56,131.44 ; 28.57,131.44 v1(29.21,131.44) ; 28.57,131.44 36.83,131.44 ; v1(55.88,131.44) 56.51,131.44 ; 56.51,131.44 v1(38.1,131.44) 36.83,131.44 ; 56.51,131.44 v1(64.77,131.44) ; v1(100.33,131.44) 100.97,131.44 ; 100.97,131.44 v1(82.55,131.44) 67.95,131.44 ; 100.97,131.44 108.59,131.44 ; 108.59,131.44 113.57,131.44 ; 108.59,131.44 v1(109.22,131.44) v1(118.11,131.44) 136.52,131.44 ; v1(135.89,131.44) 136.52,131.44 ; 136.52,131.44 144.14,131.44 ; 144.14,131.44 149.13,131.44 ; 144.14,131.44 v1(144.78,131.44) ; v1(20.32,122.55) 20.95,122.55 ; 20.95,122.55 v1(2.54,122.55) ; 20.95,122.55 28.57,122.55 ; 28.57,122.55 33.56,122.55 ; 28.57,122.55 v1(29.21,122.55) ; 28.57,122.55 36.83,122.55 ; v1(20.32,86.99) 20.95,86.99 ; 20.95,86.99 v1(2.54,86.99) ; 20.95,86.99 28.57,86.99 ; 28.57,86.99 33.56,86.99 ; 28.57,86.99 v1(29.21,86.99) ; 28.57,86.99 v1(38.1,86.99) 38.37,86.72 56.24,86.72 56.51,86.99 ; v1(55.88,86.99) 56.51,86.99 ; 56.51,86.99 v1(64.77,86.99) ; 63.5,86.99 74.3,86.99 ; v1(100.33,86.99) 100.97,86.99 ; 100.97,86.99 v1(82.55,86.99) 74.3,86.99 ; 100.97,86.99 108.59,86.99 ; 108.59,86.99 v1(109.22,86.99) ; 108.59,86.99 v1(127,86.99) v1(135.89,86.99) v1(144.78,86.99) 149.04,86.99 v2(149.13,86.9) ; 149.04,175.89 v2(149.13,175.99) ; 149.04,158.12 v2(149.13,158.02) ; 74.3,149.22 73.66,149.22 ; 74.3,184.78 73.66,184.78 ; 74.3,140.33 73.66,140.33 ; 144.14,193.67 v1(144.78,193.67) ; 144.14,193.67 v2(149.13,193.67) ; v2(149.13,29.3) 149.04,29.21 v1(144.78,29.21) v1(140.33,29.21) 139.41,30.13 122.65,30.13 122.27,29.75 114.21,29.75 v1(113.67,29.21) v1(109.22,29.21) 107.86,30.57 85.18,30.57 ; 85.18,30.57 84.55,30.57 ; 85.18,30.57 83.91,30.57 v1(82.55,29.21) v1(78.11,29.21) 77.83,28.94 ; 140.97,38.1 v1(144.78,38.1) 149.04,38.1 v2(149.13,38.19) ; 140.97,38.1 140.17,38.9 100.67,38.9 99.87,38.1 99.7,38.1 ; 140.97,38.1 v1(140.33,38.1) ; v1(78.11,9.53) 78.2,9.43 112.94,9.43 ; v2(149.13,46.45) 148.32,47.26 100.6,47.26 v1(100.33,46.99) v1(95.89,46.99) ; 36.83,131.44 37.46,131.44 ; 74.3,86.99 73.66,86.99 ; 68.58,193.67 69.12,193.67 ; 99.7,38.1 v1(95.89,38.1) 95.25,38.73 82.33,38.73 82.24,38.64 81.55,38.64 81.46,38.73 42.54,38.73 41.91,38.1 ; 99.7,38.1 v1(100.33,38.1) ; 149.04,167 v2(149.13,167.1) ; 112.94,9.43 113.03,9.53 v1(113.67,9.53) 149.04,9.53 v1(149.13,9.43) ; 112.94,9.43 93.63,9.43 93.54,9.53 v1(24.77,9.53) v1(15.87,9.53) v1(11.43,9.53) 11.04,9.53 10.77,9.25 2.81,9.25 v1(2.54,9.53) 1.9,9.53 ; 149.04,140.33 v2(149.13,140.43) ; v1(64.77,78.1) 64.5,78.38 42.82,78.38 v1(42.54,78.1) ; 149.04,104.77 v2(149.13,104.68) ; 149.04,95.88 v2(149.13,95.79) ; 67.95,131.44 68.49,131.44 ; 67.95,131.44 63.5,131.44 ; v2(149.13,20.41) 149.04,20.32 v1(144.78,20.32) v1(140.33,20.32) 136.52,20.32 135.89,20.95 116.2,20.95 115.57,20.32 v1(113.67,20.32) v1(104.78,20.32) v1(95.89,20.32) v1(87,20.32) v1(78.11,20.32) v1(69.22,20.32) 68.94,20.05 60.6,20.05 v1(60.32,20.32) 60.05,20.05 51.71,20.05 v1(51.43,20.32) v1(42.54,20.32) v1(33.66,20.32) v1(24.77,20.32) 24.49,20.05 16.15,20.05 v1(15.87,20.32) v1(2.54,20.32) ; 73.66,122.55 74.3,122.55 ; v1(42.54,38.1) 41.91,38.1 ; 41.91,38.1 v1(38.1,38.1) ; 149.04,122.55 v2(149.13,122.46) ; v2(149.13,60.23) 149.04,60.32 v1(140.33,60.32) 140.06,60.6 109.49,60.6 v1(109.22,60.32) v1(100.33,60.32) 99.94,60.72 91.83,60.72 v1(91.44,60.32) 64.14,60.32 ; 36.83,122.55 37.46,122.55 ; 36.83,104.77 37.46,104.77 ; 149.04,113.66 v2(149.13,113.76) ; 149.04,131.44 v2(149.13,131.35) ; 149.04,184.78 v2(149.13,184.69) ; v1(33.66,9.53) v1(69.22,9.53) ; 149.04,149.22 v2(149.13,149.32)
  Bottom w1: J1.6 J1.10 55.15,0.73 148.05,0.73 149.13,1.81 v1(149.13,9.43) v2(149.13,20.41) v2(149.13,29.3) v2(149.13,38.19) v2(149.13,46.45) v2(149.13,60.23) v2(149.13,69.12) v2(149.13,78.01) v2(149.13,86.9) v2(149.13,95.79) v2(149.13,104.68) v2(149.13,113.76) v2(149.13,122.46) v2(149.13,131.35) v2(149.13,140.43) v2(149.13,149.32) v2(149.13,158.02) v2(149.13,167.1) v2(149.13,175.99) v2(149.13,184.69) v2(149.13,193.67)
